# KiCad board poly_kb_molecule_8x5.kicad_pcb (continued)
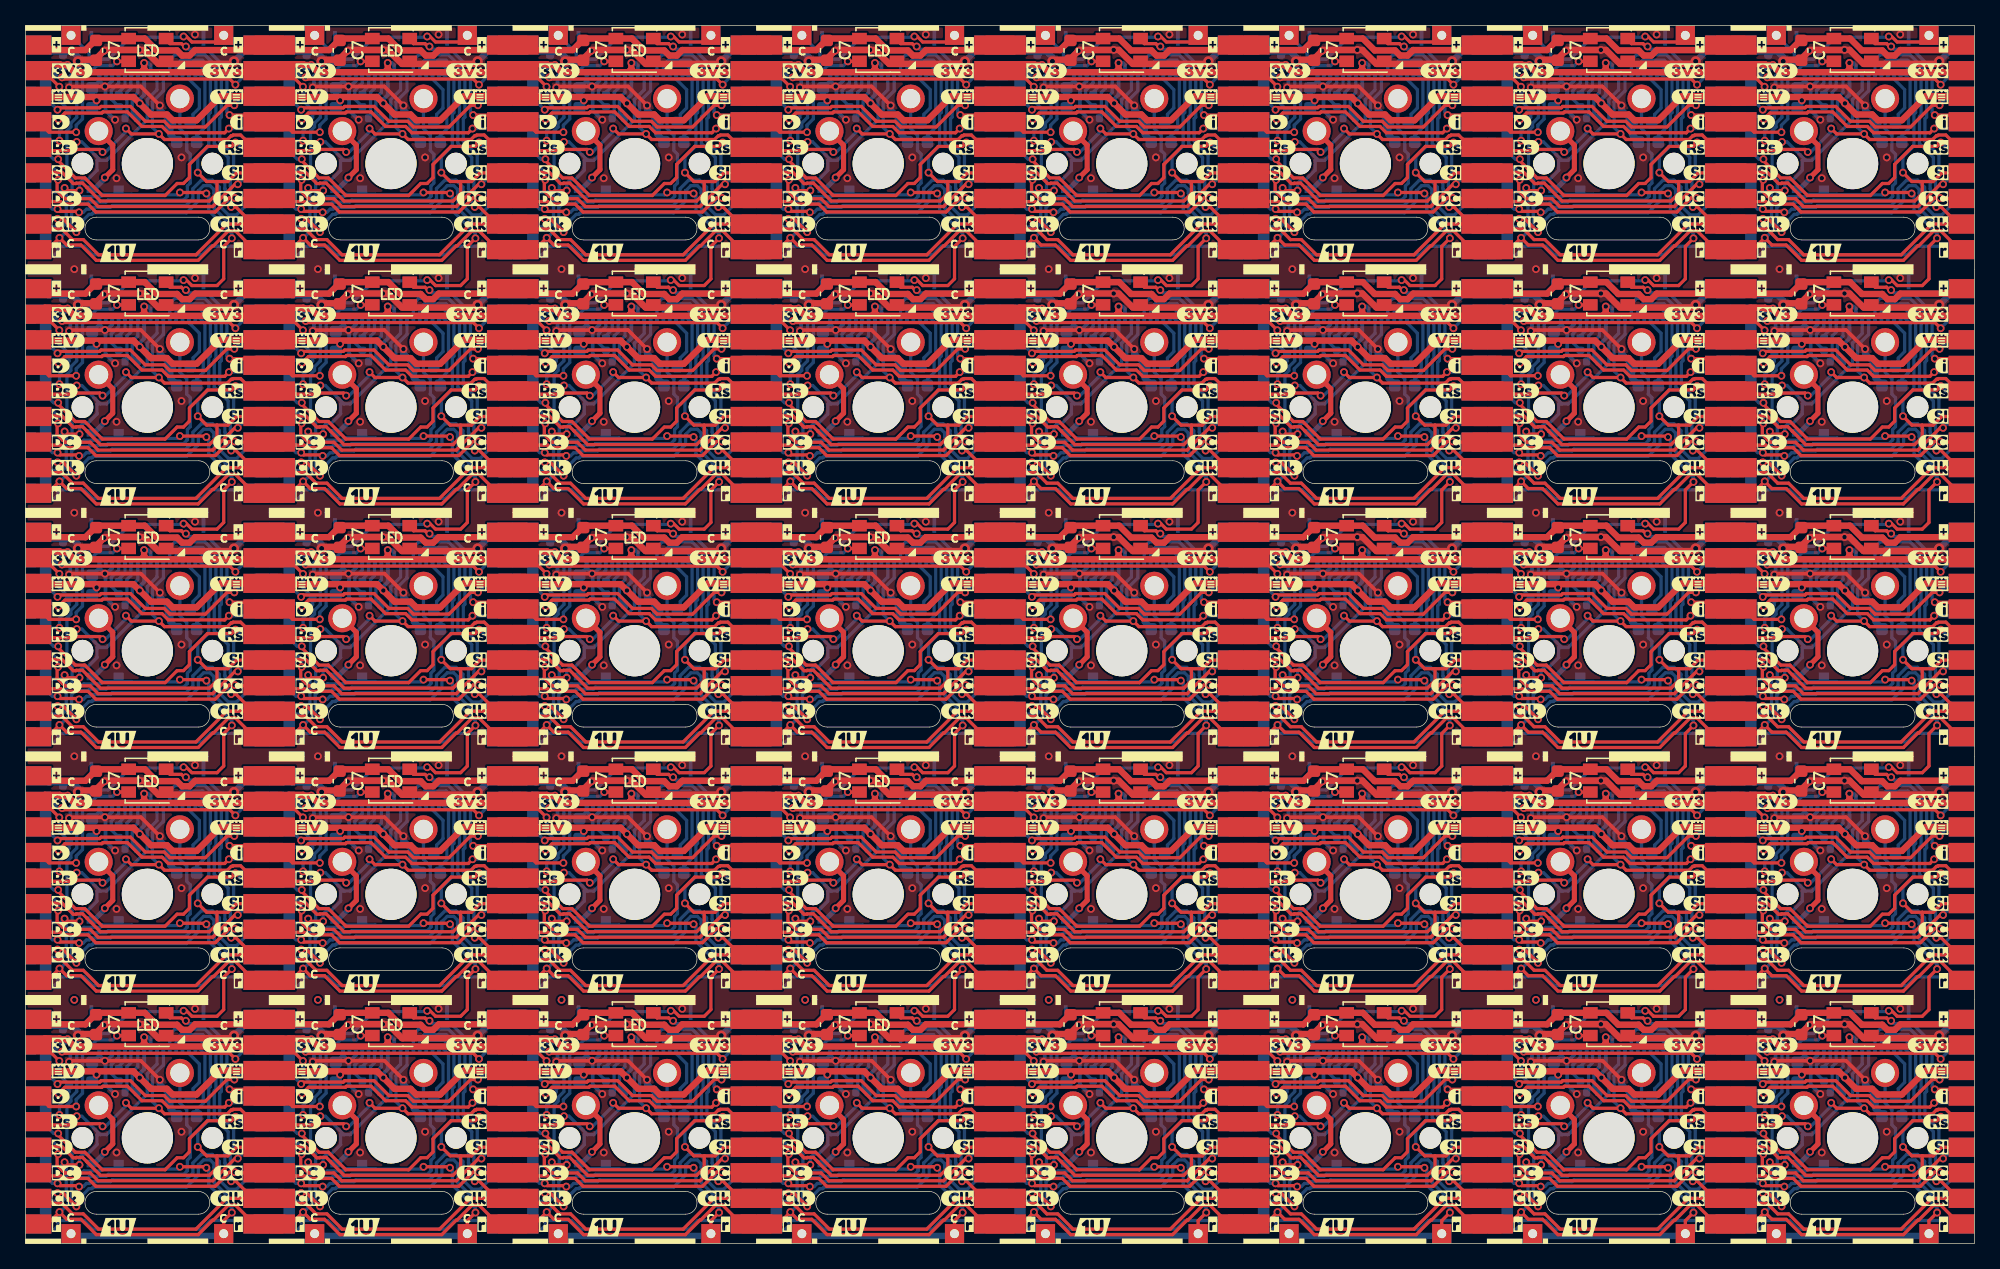
[diagram p0: board, top side]
## Routing (per net, layer and track width the routed paths; a pad name or vN(x,y) marks a point on that pad's centre or on a via; arc(x,y) is an arc through that point) (continued)
/Keyboard/sheet605ED2EB/LED_DIN: length 1005.4
  Top w0.254: 36.83,30.58 36.3,31.1 v1(35,31.1) ; v1(50.64,55.51) 50.51,55.51 50.29,55.74 49.39,55.74 48.99,56.13 ; 93.98,87.72 93.46,88.25 v1(92.15,88.25) ; v1(69.69,17.41) 69.56,17.41 69.34,17.64 68.44,17.64 68.04,18.03 ; v1(23.01,29.76) 20.88,29.76 J3#14.4 ; v1(69.69,55.51) 69.56,55.51 69.34,55.74 68.44,55.74 68.04,56.13 ; v1(126.84,55.51) 126.71,55.51 126.49,55.74 125.59,55.74 125.19,56.13 ; 48.99,94.23 49.39,93.84 50.29,93.84 50.51,93.61 v1(50.64,93.61) ; LED1#32.2 103.31,54.35 v1(102.4,54.35) ; 29.94,75.19 30.34,74.79 31.24,74.79 31.46,74.56 v1(31.59,74.56) ; v1(118.26,29.76) 116.13,29.76 J3#24.4 ; v1(15.95,88.25) 17.25,88.25 17.78,87.72 ; v1(137.31,86.91) 135.18,86.91 J3#26.4 ; v1(140.5,92.45) 141.41,92.45 LED1#6.2 ; J3#16.4 20.88,67.86 v1(23.01,67.86) ; J3#30.4 39.93,29.76 v1(42.06,29.76) ; v1(80.16,48.81) 78.03,48.81 J3#40.4 ; 144.24,94.23 144.64,93.84 145.54,93.84 145.76,93.61 v1(145.89,93.61) ; v1(130.25,31.1) 131.56,31.1 132.08,30.58 ; v1(12.54,17.41) 12.41,17.41 12.19,17.64 11.29,17.64 10.89,18.03 ; v1(42.06,86.91) 39.93,86.91 J3#38.4 ; 36.83,68.67 36.3,69.2 v1(35,69.2) ; 87.09,37.08 87.49,36.69 88.39,36.69 88.61,36.46 v1(88.74,36.46) ; v1(137.31,10.71) 135.18,10.71 J3#33.4 ; LED1#22.2 141.41,35.3 v1(140.5,35.3) ; v1(31.59,55.51) 31.46,55.51 31.24,55.74 30.34,55.74 29.94,56.13 ; LED1#24.2 65.2,92.45 v1(64.3,92.45) ; v1(73.1,88.25) 74.41,88.25 74.93,87.72 ; v1(35,50.15) 36.3,50.15 36.83,49.62 ; 106.14,56.13 106.54,55.74 107.44,55.74 107.66,55.51 v1(107.79,55.51) ; J3#3.4 20.88,48.81 v1(23.01,48.81) ; LED1#8.2 65.2,54.35 v1(64.3,54.35) ; LED1#7.2 103.31,16.25 v1(102.4,16.25) ; v1(7.15,92.45) 8.05,92.45 LED1.2 ; 74.93,30.58 74.41,31.1 v1(73.1,31.1) ; 74.93,11.53 74.41,12.05 v1(73.1,12.05) ; v1(26.2,35.3) 27.1,35.3 LED1#25.2 ; v1(61.11,10.71) 58.98,10.71 J3#27.4 ; v1(92.15,12.05) 93.46,12.05 93.98,11.53 ; J3#9.4 1.83,48.81 v1(3.96,48.81) ; J3#35.4 135.18,48.81 v1(137.31,48.81) ; v1(137.31,29.76) 135.18,29.76 J3#6.4 ; 17.78,49.62 17.25,50.15 v1(15.95,50.15) ; 113.03,11.53 112.5,12.05 v1(111.2,12.05) ; 151.13,68.67 150.6,69.2 v1(149.3,69.2) ; v1(83.35,35.3) 84.25,35.3 LED1#21.2 ; LED1#20.2 8.05,16.25 v1(7.15,16.25) ; J3#22.4 58.98,86.91 v1(61.11,86.91) ; 68.04,94.23 68.44,93.84 69.34,93.84 69.56,93.61 v1(69.69,93.61) ; v1(31.59,36.46) 31.46,36.46 31.24,36.69 30.34,36.69 29.94,37.08 ; LED1#35.2 8.05,73.4 v1(7.15,73.4) ; v1(145.89,17.41) 145.76,17.41 145.54,17.64 144.64,17.64 144.24,18.03 ; v1(83.35,16.25) 84.25,16.25 LED1#3.2 ; v1(61.11,48.81) 58.98,48.81 J3#23.4 ; v1(118.26,86.91) 116.13,86.91 J3#32.4 ; v1(80.16,86.91) 78.03,86.91 J3#18.4 ; LED1#17.2 141.41,54.35 v1(140.5,54.35) ; v1(3.96,67.86) 1.83,67.86 J3#17.4 ; LED1#28.2 122.35,35.3 v1(121.45,35.3) ; LED1#40.2 27.1,92.45 v1(26.2,92.45) ; v1(126.84,36.46) 126.71,36.46 126.49,36.69 125.59,36.69 125.19,37.08 ; v1(15.95,69.2) 17.25,69.2 17.78,68.67 ; v1(149.3,88.25) 150.6,88.25 151.13,87.72 ; 74.93,68.67 74.41,69.2 v1(73.1,69.2) ; 113.03,49.62 112.5,50.15 v1(111.2,50.15) ; 17.78,30.58 17.25,31.1 v1(15.95,31.1) ; v1(45.25,16.25) 46.16,16.25 LED1#19.2 ; 87.09,18.03 87.49,17.64 88.39,17.64 88.61,17.41 v1(88.74,17.41) ; 93.98,30.58 93.46,31.1 v1(92.15,31.1) ; J3#20.4 135.18,67.86 v1(137.31,67.86) ; 106.14,75.19 106.54,74.79 107.44,74.79 107.66,74.56 v1(107.79,74.56) ; v1(121.45,92.45) 122.35,92.45 LED1#31.2 ; LED1#26.2 46.16,92.45 v1(45.25,92.45) ; v1(26.2,16.25) 27.1,16.25 LED1#37.2 ; 106.14,37.08 106.54,36.69 107.44,36.69 107.66,36.46 v1(107.79,36.46) ; 36.83,11.53 36.3,12.05 v1(35,12.05) ; v1(64.3,35.3) 65.2,35.3 LED1#4.2 ; v1(42.06,10.71) 39.93,10.71 J3#5.4 ; LED1#23.2 141.41,73.4 v1(140.5,73.4) ; v1(31.59,93.61) 31.46,93.61 31.24,93.84 30.34,93.84 29.94,94.23 ; 125.19,75.19 125.59,74.79 126.49,74.79 126.71,74.56 v1(126.84,74.56) ; LED1#11.2 103.31,92.45 v1(102.4,92.45) ; 68.04,37.08 68.44,36.69 69.34,36.69 69.56,36.46 v1(69.69,36.46) ; v1(99.21,86.91) 97.08,86.91 J3#36.4 ; J3#19.4 20.88,86.91 v1(23.01,86.91) ; v1(99.21,48.81) 97.08,48.81 J3#28.4 ; v1(80.16,29.76) 78.03,29.76 J3#7.4 ; v1(12.54,36.46) 12.41,36.46 12.19,36.69 11.29,36.69 10.89,37.08 ; v1(83.35,92.45) 84.25,92.45 LED1#36.2 ; v1(92.15,69.2) 93.46,69.2 93.98,68.67 ; v1(118.26,10.71) 116.13,10.71 J3#12.4 ; v1(118.26,67.86) 116.13,67.86 J3#2.4 ; v1(45.25,54.35) 46.16,54.35 LED1#38.2 ; v1(145.89,36.46) 145.76,36.46 145.54,36.69 144.64,36.69 144.24,37.08 ; J3#10.4 58.98,67.86 v1(61.11,67.86) ; J3#15.4 1.83,10.71 v1(3.96,10.71) ; v1(54.05,88.25) 55.36,88.25 55.88,87.72 ; J3#4.4 116.13,48.81 v1(118.26,48.81) ; v1(88.74,55.51) 88.61,55.51 88.39,55.74 87.49,55.74 87.09,56.13 ; v1(83.35,73.4) 84.25,73.4 LED1#29.2 ; J3#13.4 78.03,67.86 v1(80.16,67.86) ; 29.94,18.03 30.34,17.64 31.24,17.64 31.46,17.41 v1(31.59,17.41) ; LED1#33.2 46.16,73.4 v1(45.25,73.4) ; 132.08,49.62 131.56,50.15 v1(130.25,50.15) ; v1(130.25,88.25) 131.56,88.25 132.08,87.72 ; v1(121.45,73.4) 122.35,73.4 LED1#5.2 ; 36.83,87.72 36.3,88.25 v1(35,88.25) ; v1(73.1,50.15) 74.41,50.15 74.93,49.62 ; v1(54.05,12.05) 55.36,12.05 55.88,11.53 ; 144.24,56.13 144.64,55.74 145.54,55.74 145.76,55.51 v1(145.89,55.51) ; v1(99.21,29.76) 97.08,29.76 J3#21.4 ; LED1#10.2 27.1,54.35 v1(26.2,54.35) ; v1(102.4,35.3) 103.31,35.3 LED1#14.2 ; v1(50.64,74.56) 50.51,74.56 50.29,74.79 49.39,74.79 48.99,75.19 ; 10.89,56.13 11.29,55.74 12.19,55.74 12.41,55.51 v1(12.54,55.51) ; J3#8.4 78.03,10.71 v1(80.16,10.71) ; 55.88,49.62 55.36,50.15 v1(54.05,50.15) ; v1(126.84,93.61) 126.71,93.61 126.49,93.84 125.59,93.84 125.19,94.23 ; LED1#13.2 8.05,54.35 v1(7.15,54.35) ; v1(54.05,69.2) 55.36,69.2 55.88,68.67 ; 48.99,18.03 49.39,17.64 50.29,17.64 50.51,17.41 v1(50.64,17.41) ; 106.14,18.03 106.54,17.64 107.44,17.64 107.66,17.41 v1(107.79,17.41) ; J3#31.4 39.93,67.86 v1(42.06,67.86) ; v1(15.95,12.05) 17.25,12.05 17.78,11.53 ; 113.03,68.67 112.5,69.2 v1(111.2,69.2) ; v1(102.4,73.4) 103.31,73.4 LED1#27.2 ; LED1#12.2 141.41,16.25 v1(140.5,16.25) ; 151.13,30.58 150.6,31.1 v1(149.3,31.1) ; v1(126.84,17.41) 126.71,17.41 126.49,17.64 125.59,17.64 125.19,18.03 ; 55.88,30.58 55.36,31.1 v1(54.05,31.1) ; 48.99,37.08 49.39,36.69 50.29,36.69 50.51,36.46 v1(50.64,36.46) ; LED1#2.2 122.35,54.35 v1(121.45,54.35) ; 151.13,49.62 150.6,50.15 v1(149.3,50.15) ; v1(64.3,16.25) 65.2,16.25 LED1#30.2 ; J3#25.4 20.88,10.71 v1(23.01,10.71) ; 93.98,49.62 93.46,50.15 v1(92.15,50.15) ; v1(99.21,67.86) 97.08,67.86 J3#37.4 ; J3#34.4 97.08,10.71 v1(99.21,10.71) ; 113.03,87.72 112.5,88.25 v1(111.2,88.25) ; 68.04,75.19 68.44,74.79 69.34,74.79 69.56,74.56 v1(69.69,74.56) ; 132.08,68.67 131.56,69.2 v1(130.25,69.2) ; v1(12.54,93.61) 12.41,93.61 12.19,93.84 11.29,93.84 10.89,94.23 ; 10.89,75.19 11.29,74.79 12.19,74.79 12.41,74.56 v1(12.54,74.56) ; 113.03,30.58 112.5,31.1 v1(111.2,31.1) ; v1(45.25,35.3) 46.16,35.3 LED1#15.2 ; v1(42.06,48.81) 39.93,48.81 J3#11.4 ; J3#29.4 1.83,29.76 v1(3.96,29.76) ; LED1#9.2 84.25,54.35 v1(83.35,54.35) ; 144.24,75.19 144.64,74.79 145.54,74.79 145.76,74.56 v1(145.89,74.56) ; v1(130.25,12.05) 131.56,12.05 132.08,11.53 ; 151.13,11.53 150.6,12.05 v1(149.3,12.05) ; v1(7.15,35.3) 8.05,35.3 LED1#18.2 ; v1(107.79,93.61) 107.66,93.61 107.44,93.84 106.54,93.84 106.14,94.23 ; v1(88.74,74.56) 88.61,74.56 88.39,74.79 87.49,74.79 87.09,75.19 ; LED1#16.2 122.35,16.25 v1(121.45,16.25) ; v1(3.96,86.91) 1.83,86.91 J3.4 ; LED1#39.2 27.1,73.4 v1(26.2,73.4) ; v1(88.74,93.61) 88.61,93.61 88.39,93.84 87.49,93.84 87.09,94.23 ; J3#39.4 58.98,29.76 v1(61.11,29.76) ; v1(64.3,73.4) 65.2,73.4 LED1#34.2
  Top w1.5: J4#11.4 J3#3.4 ; J4.4 J3#19.4 ; J4#33.4 J3#28.4 ; J3#6.4 J4#2.4 ; J3#26.4 J4#24.4 ; J4#35.4 J3#14.4 ; J3#27.4 J4#37.4 ; J3#35.4 J4#13.4 ; J4#4.4 J3#24.4 ; J3#10.4 J4#22.4 ; J4#34.4 J3#30.4 ; J3#23.4 J4#3.4 ; J4#40.4 J3#38.4 ; J4#5.4 J3#13.4 ; J3#22.4 J4#28.4 ; J4#30.4 J3#37.4 ; J4#15.4 J3#18.4 ; J3#8.4 J4#14.4 ; J4#29.4 J3#7.4 ; J4#18.4 J3#4.4 ; J4#36.4 J3#16.4 ; J4#27.4 J3#11.4 ; J3#33.4 J4#6.4 ; J4#16.4 J3#31.4 ; J4#12.4 J3#34.4 ; J3#39.4 J4#38.4 ; J4#17.4 J3#36.4 ; J4#21.4 J3#5.4 ; J4#8.4 J3#2.4 ; J4#26.4 J3#40.4 ; J3#20.4 J4#10.4 ; J4#19.4 J3#32.4 ; J4#9.4 J3#25.4 ; J4#23.4 J3#12.4 ; J4#25.4 J3#21.4
  Bottom w0.254: v1(3.96,67.86) 3.96,68.41 4.45,68.9 4.45,71.95 5.57,73.07 6.82,73.07 v1(7.15,73.4) ; v1(92.15,31.1) 91.94,31.31 91.94,34.7 90.4,36.24 88.96,36.24 v1(88.74,36.46) ; v1(118.26,86.91) 118.26,87.46 118.75,87.95 118.75,91 119.87,92.12 121.12,92.12 v1(121.45,92.45) ; v1(73.1,69.2) 72.89,69.41 72.89,72.8 71.35,74.34 69.91,74.34 v1(69.69,74.56) ; v1(7.15,54.35) 6.82,54.02 5.57,54.02 4.45,52.9 4.45,49.85 3.96,49.36 v1(3.96,48.81) ; v1(35,88.25) 34.79,88.46 34.79,91.85 33.25,93.39 31.81,93.39 v1(31.59,93.61) ; v1(50.64,74.56) 50.86,74.34 52.3,74.34 53.84,72.8 53.84,69.41 v1(54.05,69.2) ; v1(23.01,29.76) 23.01,30.31 23.5,30.8 23.5,33.85 24.62,34.97 25.87,34.97 v1(26.2,35.3) ; v1(50.64,93.61) 50.86,93.39 52.3,93.39 53.84,91.85 53.84,88.46 v1(54.05,88.25) ; v1(69.69,36.46) 69.91,36.24 71.35,36.24 72.89,34.7 72.89,31.31 v1(73.1,31.1) ; v1(83.35,73.4) 83.02,73.07 81.77,73.07 80.65,71.95 80.65,68.9 80.16,68.41 v1(80.16,67.86) ; v1(83.35,54.35) 83.02,54.02 81.77,54.02 80.65,52.9 80.65,49.85 80.16,49.36 v1(80.16,48.81) ; v1(107.79,17.41) 108.01,17.19 109.45,17.19 110.99,15.65 110.99,12.26 v1(111.2,12.05) ; v1(149.3,50.15) 149.09,50.36 149.09,53.75 147.55,55.29 146.11,55.29 v1(145.89,55.51) ; v1(126.84,17.41) 127.06,17.19 128.5,17.19 130.04,15.65 130.04,12.26 v1(130.25,12.05) ; v1(42.06,86.91) 42.06,87.46 42.55,87.95 42.55,91 43.67,92.12 44.92,92.12 v1(45.25,92.45) ; v1(45.25,54.35) 44.92,54.02 43.67,54.02 42.55,52.9 42.55,49.85 42.06,49.36 v1(42.06,48.81) ; v1(73.1,50.15) 72.89,50.36 72.89,53.75 71.35,55.29 69.91,55.29 v1(69.69,55.51) ; v1(80.16,86.91) 80.16,87.46 80.65,87.95 80.65,91 81.77,92.12 83.02,92.12 v1(83.35,92.45) ; v1(149.3,69.2) 149.09,69.41 149.09,72.8 147.55,74.34 146.11,74.34 v1(145.89,74.56) ; v1(12.54,17.41) 12.76,17.19 14.2,17.19 15.74,15.65 15.74,12.26 v1(15.95,12.05) ; v1(12.54,55.51) 12.76,55.29 14.2,55.29 15.74,53.75 15.74,50.36 v1(15.95,50.15) ; v1(92.15,88.25) 91.94,88.46 91.94,91.85 90.4,93.39 88.96,93.39 v1(88.74,93.61) ; v1(137.31,10.71) 137.31,11.26 137.8,11.75 137.8,14.8 138.92,15.92 140.17,15.92 v1(140.5,16.25) ; v1(107.79,55.51) 108.01,55.29 109.45,55.29 110.99,53.75 110.99,50.36 v1(111.2,50.15) ; v1(61.11,67.86) 61.11,68.41 61.6,68.9 61.6,71.95 62.72,73.07 63.97,73.07 v1(64.3,73.4) ; v1(3.96,10.71) 3.96,11.26 4.45,11.75 4.45,14.8 5.57,15.92 6.82,15.92 v1(7.15,16.25) ; v1(99.21,10.71) 99.21,11.26 99.7,11.75 99.7,14.8 100.82,15.92 102.07,15.92 v1(102.4,16.25) ; v1(99.21,29.76) 99.21,30.31 99.7,30.8 99.7,33.85 100.82,34.97 102.07,34.97 v1(102.4,35.3) ; v1(145.89,36.46) 146.11,36.24 147.55,36.24 149.09,34.7 149.09,31.31 v1(149.3,31.1) ; v1(111.2,88.25) 110.99,88.46 110.99,91.85 109.45,93.39 108.01,93.39 v1(107.79,93.61) ; v1(31.59,74.56) 31.81,74.34 33.25,74.34 34.79,72.8 34.79,69.41 v1(35,69.2) ; v1(92.15,69.2) 91.94,69.41 91.94,72.8 90.4,74.34 88.96,74.34 v1(88.74,74.56) ; v1(42.06,29.76) 42.06,30.31 42.55,30.8 42.55,33.85 43.67,34.97 44.92,34.97 v1(45.25,35.3) ; v1(137.31,67.86) 137.31,68.41 137.8,68.9 137.8,71.95 138.92,73.07 140.17,73.07 v1(140.5,73.4) ; v1(12.54,93.61) 12.76,93.39 14.2,93.39 15.74,91.85 15.74,88.46 v1(15.95,88.25) ; v1(126.84,93.61) 127.06,93.39 128.5,93.39 130.04,91.85 130.04,88.46 v1(130.25,88.25) ; v1(50.64,17.41) 50.86,17.19 52.3,17.19 53.84,15.65 53.84,12.26 v1(54.05,12.05) ; v1(102.4,73.4) 102.07,73.07 100.82,73.07 99.7,71.95 99.7,68.9 99.21,68.41 v1(99.21,67.86) ; v1(15.95,31.1) 15.74,31.31 15.74,34.7 14.2,36.24 12.76,36.24 v1(12.54,36.46) ; v1(145.89,93.61) 146.11,93.39 147.55,93.39 149.09,91.85 149.09,88.46 v1(149.3,88.25) ; v1(69.69,17.41) 69.91,17.19 71.35,17.19 72.89,15.65 72.89,12.26 v1(73.1,12.05) ; v1(137.31,86.91) 137.31,87.46 137.8,87.95 137.8,91 138.92,92.12 140.17,92.12 v1(140.5,92.45) ; v1(121.45,54.35) 121.12,54.02 119.87,54.02 118.75,52.9 118.75,49.85 118.26,49.36 v1(118.26,48.81) ; v1(107.79,36.46) 108.01,36.24 109.45,36.24 110.99,34.7 110.99,31.31 v1(111.2,31.1) ; v1(64.3,54.35) 63.97,54.02 62.72,54.02 61.6,52.9 61.6,49.85 61.11,49.36 v1(61.11,48.81) ; v1(26.2,92.45) 25.87,92.12 24.62,92.12 23.5,91 23.5,87.95 23.01,87.46 v1(23.01,86.91) ; v1(61.11,10.71) 61.11,11.26 61.6,11.75 61.6,14.8 62.72,15.92 63.97,15.92 v1(64.3,16.25) ; v1(118.26,10.71) 118.26,11.26 118.75,11.75 118.75,14.8 119.87,15.92 121.12,15.92 v1(121.45,16.25) ; v1(88.74,55.51) 88.96,55.29 90.4,55.29 91.94,53.75 91.94,50.36 v1(92.15,50.15) ; v1(145.89,17.41) 146.11,17.19 147.55,17.19 149.09,15.65 149.09,12.26 v1(149.3,12.05) ; v1(130.25,31.1) 130.04,31.31 130.04,34.7 128.5,36.24 127.06,36.24 v1(126.84,36.46) ; v1(35,50.15) 34.79,50.36 34.79,53.75 33.25,55.29 31.81,55.29 v1(31.59,55.51) ; v1(26.2,16.25) 25.87,15.92 24.62,15.92 23.5,14.8 23.5,11.75 23.01,11.26 v1(23.01,10.71) ; v1(15.95,69.2) 15.74,69.41 15.74,72.8 14.2,74.34 12.76,74.34 v1(12.54,74.56) ; v1(126.84,74.56) 127.06,74.34 128.5,74.34 130.04,72.8 130.04,69.41 v1(130.25,69.2) ; v1(3.96,86.91) 3.96,87.46 4.45,87.95 4.45,91 5.57,92.12 6.82,92.12 v1(7.15,92.45) ; v1(3.96,29.76) 3.96,30.31 4.45,30.8 4.45,33.85 5.57,34.97 6.82,34.97 v1(7.15,35.3) ; v1(31.59,17.41) 31.81,17.19 33.25,17.19 34.79,15.65 34.79,12.26 v1(35,12.05) ; v1(140.5,54.35) 140.17,54.02 138.92,54.02 137.8,52.9 137.8,49.85 137.31,49.36 v1(137.31,48.81) ; v1(64.3,92.45) 63.97,92.12 62.72,92.12 61.6,91 61.6,87.95 61.11,87.46 v1(61.11,86.91) ; v1(23.01,48.81) 23.01,49.36 23.5,49.85 23.5,52.9 24.62,54.02 25.87,54.02 v1(26.2,54.35) ; v1(140.5,35.3) 140.17,34.97 138.92,34.97 137.8,33.85 137.8,30.8 137.31,30.31 v1(137.31,29.76) ; v1(54.05,50.15) 53.84,50.36 53.84,53.75 52.3,55.29 50.86,55.29 v1(50.64,55.51) ; v1(31.59,36.46) 31.81,36.24 33.25,36.24 34.79,34.7 34.79,31.31 v1(35,31.1) ; v1(80.16,29.76) 80.16,30.31 80.65,30.8 80.65,33.85 81.77,34.97 83.02,34.97 v1(83.35,35.3) ; v1(69.69,93.61) 69.91,93.39 71.35,93.39 72.89,91.85 72.89,88.46 v1(73.1,88.25) ; v1(107.79,74.56) 108.01,74.34 109.45,74.34 110.99,72.8 110.99,69.41 v1(111.2,69.2) ; v1(99.21,48.81) 99.21,49.36 99.7,49.85 99.7,52.9 100.82,54.02 102.07,54.02 v1(102.4,54.35) ; v1(80.16,10.71) 80.16,11.26 80.65,11.75 80.65,14.8 81.77,15.92 83.02,15.92 v1(83.35,16.25) ; v1(45.25,73.4) 44.92,73.07 43.67,73.07 42.55,71.95 42.55,68.9 42.06,68.41 v1(42.06,67.86) ; v1(50.64,36.46) 50.86,36.24 52.3,36.24 53.84,34.7 53.84,31.31 v1(54.05,31.1) ; v1(61.11,29.76) 61.11,30.31 61.6,30.8 61.6,33.85 62.72,34.97 63.97,34.97 v1(64.3,35.3) ; v1(45.25,16.25) 44.92,15.92 43.67,15.92 42.55,14.8 42.55,11.75 42.06,11.26 v1(42.06,10.71) ; v1(121.45,35.3) 121.12,34.97 119.87,34.97 118.75,33.85 118.75,30.8 118.26,30.31 v1(118.26,29.76) ; v1(121.45,73.4) 121.12,73.07 119.87,73.07 118.75,71.95 118.75,68.9 118.26,68.41 v1(118.26,67.86) ; v1(26.2,73.4) 25.87,73.07 24.62,73.07 23.5,71.95 23.5,68.9 23.01,68.41 v1(23.01,67.86) ; v1(130.25,50.15) 130.04,50.36 130.04,53.75 128.5,55.29 127.06,55.29 v1(126.84,55.51) ; v1(88.74,17.41) 88.96,17.19 90.4,17.19 91.94,15.65 91.94,12.26 v1(92.15,12.05) ; v1(102.4,92.45) 102.07,92.12 100.82,92.12 99.7,91 99.7,87.95 99.21,87.46 v1(99.21,86.91)
/Keyboard/sheet605ED2EB/RESET: length 1032.3
  Top w0.254: v1(82.22,9.16) 82.02,9.36 80.19,9.36 80.1,9.27 77.47,9.27 J3#8.5 ; J3#26.5 134.62,85.47 137.25,85.47 137.34,85.56 139.17,85.56 v1(139.37,85.36) ; 17.78,66.67 16.81,67.64 16.23,67.64 16.18,67.59 16.08,67.59 15.78,67.29 10.86,67.29 v1(10.43,67.72) 8.27,67.72 v1(7.85,68.15) ; v1(26.9,30.05) 27.32,29.62 v1(29.48,29.62) 29.91,29.19 34.83,29.19 35.13,29.49 35.23,29.49 35.28,29.54 35.86,29.54 36.83,28.58 ; J3#30.5 39.37,28.32 42,28.32 42.09,28.41 43.92,28.41 v1(44.12,28.21) ; J3#9.5 1.27,47.37 3.9,47.37 3.99,47.46 5.82,47.46 v1(6.02,47.26) ; J3#27.5 58.42,9.27 61.05,9.27 61.14,9.36 62.97,9.36 v1(63.17,9.16) ; v1(101.27,66.31) 101.07,66.51 99.24,66.51 99.15,66.42 96.52,66.42 J3#37.5 ; v1(122.15,11) 122.57,10.57 v1(124.73,10.57) 125.16,10.14 130.08,10.14 130.38,10.44 130.48,10.44 130.53,10.49 131.11,10.49 132.08,9.53 ; v1(65,30.05) 65.42,29.62 v1(67.58,29.62) 68.01,29.19 72.93,29.19 73.23,29.49 73.33,29.49 73.38,29.54 73.96,29.54 74.93,28.58 ; v1(6.02,28.21) 5.82,28.41 3.99,28.41 3.9,28.32 1.27,28.32 J3#29.5 ; v1(141.2,30.05) 141.62,29.62 v1(143.78,29.62) 144.21,29.19 149.13,29.19 149.43,29.49 149.53,29.49 149.58,29.54 150.16,29.54 151.13,28.58 ; v1(25.07,85.36) 24.87,85.56 23.04,85.56 22.95,85.47 20.32,85.47 J3#19.5 ; v1(84.05,49.1) 84.47,48.67 v1(86.63,48.67) 87.06,48.24 91.98,48.24 92.28,48.54 92.38,48.54 92.43,48.59 93.01,48.59 93.98,47.62 ; v1(120.32,66.31) 120.12,66.51 118.29,66.51 118.2,66.42 115.57,66.42 J3#2.5 ; v1(120.32,9.16) 120.12,9.36 118.29,9.36 118.2,9.27 115.57,9.27 J3#12.5 ; J3#15.5 1.27,9.27 3.9,9.27 3.99,9.36 5.82,9.36 v1(6.02,9.16) ; J3#4.5 115.57,47.37 118.2,47.37 118.29,47.46 120.12,47.46 v1(120.32,47.26) ; 132.08,85.72 131.11,86.69 130.53,86.69 130.48,86.64 130.38,86.64 130.08,86.34 125.16,86.34 v1(124.73,86.77) 122.57,86.77 v1(122.15,87.2) ; 113.03,85.72 112.06,86.69 111.48,86.69 111.43,86.64 111.33,86.64 111.03,86.34 106.11,86.34 v1(105.68,86.77) 103.52,86.77 v1(103.1,87.2) ; v1(44.12,9.16) 43.92,9.36 42.09,9.36 42,9.27 39.37,9.27 J3#5.5 ; v1(25.07,28.21) 24.87,28.41 23.04,28.41 22.95,28.32 20.32,28.32 J3#14.5 ; J3#21.5 96.52,28.32 99.15,28.32 99.24,28.41 101.07,28.41 v1(101.27,28.21) ; v1(63.17,66.31) 62.97,66.51 61.14,66.51 61.05,66.42 58.42,66.42 J3#10.5 ; v1(45.95,30.05) 46.37,29.62 v1(48.53,29.62) 48.96,29.19 53.88,29.19 54.18,29.49 54.28,29.49 54.33,29.54 54.91,29.54 55.88,28.58 ; v1(120.32,85.36) 120.12,85.56 118.29,85.56 118.2,85.47 115.57,85.47 J3#32.5 ; v1(84.05,87.2) 84.47,86.77 v1(86.63,86.77) 87.06,86.34 91.98,86.34 92.28,86.64 92.38,86.64 92.43,86.69 93.01,86.69 93.98,85.72 ; v1(82.22,85.36) 82.02,85.56 80.19,85.56 80.1,85.47 77.47,85.47 J3#18.5 ; v1(45.95,68.15) 46.37,67.72 v1(48.53,67.72) 48.96,67.29 53.88,67.29 54.18,67.59 54.28,67.59 54.33,67.64 54.91,67.64 55.88,66.67 ; v1(101.27,47.26) 101.07,47.46 99.24,47.46 99.15,47.37 96.52,47.37 J3#28.5 ; v1(7.85,11) 8.27,10.57 v1(10.43,10.57) 10.86,10.14 15.78,10.14 16.08,10.44 16.18,10.44 16.23,10.49 16.81,10.49 17.78,9.53 ; v1(122.15,30.05) 122.57,29.62 v1(124.73,29.62) 125.16,29.19 130.08,29.19 130.38,29.49 130.48,29.49 130.53,29.54 131.11,29.54 132.08,28.58 ; v1(63.17,85.36) 62.97,85.56 61.14,85.56 61.05,85.47 58.42,85.47 J3#22.5 ; v1(101.27,85.36) 101.07,85.56 99.24,85.56 99.15,85.47 96.52,85.47 J3#36.5 ; J3#17.5 1.27,66.42 3.9,66.42 3.99,66.51 5.82,66.51 v1(6.02,66.31) ; v1(103.1,30.05) 103.52,29.62 v1(105.68,29.62) 106.11,29.19 111.03,29.19 111.33,29.49 111.43,29.49 111.48,29.54 112.06,29.54 113.03,28.58 ; 17.78,47.62 16.81,48.59 16.23,48.59 16.18,48.54 16.08,48.54 15.78,48.24 10.86,48.24 v1(10.43,48.67) 8.27,48.67 v1(7.85,49.1) ; J3#13.5 77.47,66.42 80.1,66.42 80.19,66.51 82.02,66.51 v1(82.22,66.31) ; v1(103.1,11) 103.52,10.57 v1(105.68,10.57) 106.11,10.14 111.03,10.14 111.33,10.44 111.43,10.44 111.48,10.49 112.06,10.49 113.03,9.53 ; v1(101.27,9.16) 101.07,9.36 99.24,9.36 99.15,9.27 96.52,9.27 J3#34.5 ; 132.08,66.67 131.11,67.64 130.53,67.64 130.48,67.59 130.38,67.59 130.08,67.29 125.16,67.29 v1(124.73,67.72) 122.57,67.72 v1(122.15,68.15) ; v1(26.9,49.1) 27.32,48.67 v1(29.48,48.67) 29.91,48.24 34.83,48.24 35.13,48.54 35.23,48.54 35.28,48.59 35.86,48.59 36.83,47.62 ; v1(63.17,28.21) 62.97,28.41 61.14,28.41 61.05,28.32 58.42,28.32 J3#39.5 ; v1(139.37,66.31) 139.17,66.51 137.34,66.51 137.25,66.42 134.62,66.42 J3#20.5 ; v1(65,49.1) 65.42,48.67 v1(67.58,48.67) 68.01,48.24 72.93,48.24 73.23,48.54 73.33,48.54 73.38,48.59 73.96,48.59 74.93,47.62 ; 36.83,66.67 35.86,67.64 35.28,67.64 35.23,67.59 35.13,67.59 34.83,67.29 29.91,67.29 v1(29.48,67.72) 27.32,67.72 v1(26.9,68.15) ; J3#24.5 115.57,28.32 118.2,28.32 118.29,28.41 120.12,28.41 v1(120.32,28.21) ; 113.03,66.67 112.06,67.64 111.48,67.64 111.43,67.59 111.33,67.59 111.03,67.29 106.11,67.29 v1(105.68,67.72) 103.52,67.72 v1(103.1,68.15) ; v1(65,68.15) 65.42,67.72 v1(67.58,67.72) 68.01,67.29 72.93,67.29 73.23,67.59 73.33,67.59 73.38,67.64 73.96,67.64 74.93,66.67 ; v1(141.2,68.15) 141.62,67.72 v1(143.78,67.72) 144.21,67.29 149.13,67.29 149.43,67.59 149.53,67.59 149.58,67.64 150.16,67.64 151.13,66.67 ; 93.98,66.67 93.01,67.64 92.43,67.64 92.38,67.59 92.28,67.59 91.98,67.29 87.06,67.29 v1(86.63,67.72) 84.47,67.72 v1(84.05,68.15) ; 151.13,85.72 150.16,86.69 149.58,86.69 149.53,86.64 149.43,86.64 149.13,86.34 144.21,86.34 v1(143.78,86.77) 141.62,86.77 v1(141.2,87.2) ; v1(45.95,87.2) 46.37,86.77 v1(48.53,86.77) 48.96,86.34 53.88,86.34 54.18,86.64 54.28,86.64 54.33,86.69 54.91,86.69 55.88,85.72 ; v1(7.85,30.05) 8.27,29.62 v1(10.43,29.62) 10.86,29.19 15.78,29.19 16.08,29.49 16.18,29.49 16.23,29.54 16.81,29.54 17.78,28.58 ; v1(6.02,85.36) 5.82,85.56 3.99,85.56 3.9,85.47 1.27,85.47 J3.5 ; v1(141.2,49.1) 141.62,48.67 v1(143.78,48.67) 144.21,48.24 149.13,48.24 149.43,48.54 149.53,48.54 149.58,48.59 150.16,48.59 151.13,47.62 ; v1(65,87.2) 65.42,86.77 v1(67.58,86.77) 68.01,86.34 72.93,86.34 73.23,86.64 73.33,86.64 73.38,86.69 73.96,86.69 74.93,85.72 ; J3#40.5 77.47,47.37 80.1,47.37 80.19,47.46 82.02,47.46 v1(82.22,47.26) ; J3#33.5 134.62,9.27 137.25,9.27 137.34,9.36 139.17,9.36 v1(139.37,9.16) ; J3#16.5 20.32,66.42 22.95,66.42 23.04,66.51 24.87,66.51 v1(25.07,66.31) ; v1(26.9,11) 27.32,10.57 v1(29.48,10.57) 29.91,10.14 34.83,10.14 35.13,10.44 35.23,10.44 35.28,10.49 35.86,10.49 36.83,9.53 ; 132.08,47.62 131.11,48.59 130.53,48.59 130.48,48.54 130.38,48.54 130.08,48.24 125.16,48.24 v1(124.73,48.67) 122.57,48.67 v1(122.15,49.1) ; 113.03,47.62 112.06,48.59 111.48,48.59 111.43,48.54 111.33,48.54 111.03,48.24 106.11,48.24 v1(105.68,48.67) 103.52,48.67 v1(103.1,49.1) ; v1(82.22,28.21) 82.02,28.41 80.19,28.41 80.1,28.32 77.47,28.32 J3#7.5 ; 17.78,85.72 16.81,86.69 16.23,86.69 16.18,86.64 16.08,86.64 15.78,86.34 10.86,86.34 v1(10.43,86.77) 8.27,86.77 v1(7.85,87.2) ; 93.98,28.58 93.01,29.54 92.43,29.54 92.38,29.49 92.28,29.49 91.98,29.19 87.06,29.19 v1(86.63,29.62) 84.47,29.62 v1(84.05,30.05) ; v1(44.12,85.36) 43.92,85.56 42.09,85.56 42,85.47 39.37,85.47 J3#38.5 ; v1(26.9,87.2) 27.32,86.77 v1(29.48,86.77) 29.91,86.34 34.83,86.34 35.13,86.64 35.23,86.64 35.28,86.69 35.86,86.69 36.83,85.72 ; v1(44.12,47.26) 43.92,47.46 42.09,47.46 42,47.37 39.37,47.37 J3#11.5 ; v1(141.2,11) 141.62,10.57 v1(143.78,10.57) 144.21,10.14 149.13,10.14 149.43,10.44 149.53,10.44 149.58,10.49 150.16,10.49 151.13,9.53 ; 93.98,9.53 93.01,10.49 92.43,10.49 92.38,10.44 92.28,10.44 91.98,10.14 87.06,10.14 v1(86.63,10.57) 84.47,10.57 v1(84.05,11) ; J3#6.5 134.62,28.32 137.25,28.32 137.34,28.41 139.17,28.41 v1(139.37,28.21) ; v1(139.37,47.26) 139.17,47.46 137.34,47.46 137.25,47.37 134.62,47.37 J3#35.5 ; J3#3.5 20.32,47.37 22.95,47.37 23.04,47.46 24.87,47.46 v1(25.07,47.26) ; J3#25.5 20.32,9.27 22.95,9.27 23.04,9.36 24.87,9.36 v1(25.07,9.16) ; v1(44.12,66.31) 43.92,66.51 42.09,66.51 42,66.42 39.37,66.42 J3#31.5 ; 55.88,9.53 54.91,10.49 54.33,10.49 54.28,10.44 54.18,10.44 53.88,10.14 48.96,10.14 v1(48.53,10.57) 46.37,10.57 v1(45.95,11) ; v1(65,11) 65.42,10.57 v1(67.58,10.57) 68.01,10.14 72.93,10.14 73.23,10.44 73.33,10.44 73.38,10.49 73.96,10.49 74.93,9.53 ; v1(45.95,49.1) 46.37,48.67 v1(48.53,48.67) 48.96,48.24 53.88,48.24 54.18,48.54 54.28,48.54 54.33,48.59 54.91,48.59 55.88,47.62 ; J3#23.5 58.42,47.37 61.05,47.37 61.14,47.46 62.97,47.46 v1(63.17,47.26)
  Top w1.5: J4#15.5 J3#18.5 ; J4#28.5 J3#22.5 ; J4#25.5 J3#21.5 ; J4#22.5 J3#10.5 ; J4#8.5 J3#2.5 ; J4#18.5 J3#4.5 ; J4#30.5 J3#37.5 ; J4#21.5 J3#5.5 ; J4#12.5 J3#34.5 ; J4#38.5 J3#39.5 ; J4.5 J3#19.5 ; J4#34.5 J3#30.5 ; J4#6.5 J3#33.5 ; J4#37.5 J3#27.5 ; J4#3.5 J3#23.5 ; J4#4.5 J3#24.5 ; J4#33.5 J3#28.5 ; J4#16.5 J3#31.5 ; J4#24.5 J3#26.5 ; J4#5.5 J3#13.5 ; J4#9.5 J3#25.5 ; J4#10.5 J3#20.5 ; J4#40.5 J3#38.5 ; J4#27.5 J3#11.5 ; J4#11.5 J3#3.5 ; J4#36.5 J3#16.5 ; J4#13.5 J3#35.5 ; J4#29.5 J3#7.5 ; J4#14.5 J3#8.5 ; J4#17.5 J3#36.5 ; J4#26.5 J3#40.5 ; J4#35.5 J3#14.5 ; J4#19.5 J3#32.5 ; J4#2.5 J3#6.5 ; J4#23.5 J3#12.5
  Bottom w0.254: v1(6.02,28.21) 6.25,28.21 7.85,29.8 v1(7.85,30.05) ; v1(101.27,66.31) 101.5,66.31 103.1,67.9 v1(103.1,68.15) ; J1#13.11 29.83,13.95 28.97,13.09 28.97,11.08 v1(29.48,10.57) ; v1(103.1,30.05) 103.1,29.8 101.5,28.21 v1(101.27,28.21) ; v1(82.22,66.31) 82.45,66.31 84.05,67.9 v1(84.05,68.15) ; v1(82.22,85.36) 82.45,85.36 84.05,86.95 v1(84.05,87.2) ; v1(86.63,29.62) 86.12,30.13 86.12,32.14 86.97,33 J1#37.11 ; J1#4.11 48.88,71.1 48.02,70.24 48.02,68.23 v1(48.53,67.72) ; v1(65,11) 65,10.75 63.4,9.16 v1(63.17,9.16) ; v1(124.73,86.77) 124.22,87.28 124.22,89.29 125.07,90.15 J1#26.11 ; v1(122.15,30.05) 122.15,29.8 120.55,28.21 v1(120.32,28.21) ; v1(10.43,86.77) 9.92,87.28 9.92,89.29 10.77,90.15 J1.11 ; v1(84.05,11) 84.05,10.75 82.45,9.16 v1(82.22,9.16) ; v1(29.48,29.62) 28.97,30.13 28.97,32.14 29.83,33 J1#2.11 ; J1#25.11 86.97,13.95 86.12,13.09 86.12,11.08 v1(86.63,10.57) ; v1(103.1,87.2) 103.1,86.95 101.5,85.36 v1(101.27,85.36) ; v1(141.2,87.2) 141.2,86.95 139.6,85.36 v1(139.37,85.36) ; J1#40.11 106.03,33 105.17,32.14 105.17,30.13 v1(105.68,29.62) ; v1(143.78,86.77) 143.27,87.28 143.27,89.29 144.12,90.15 J1#32.11 ; v1(65,68.15) 65,67.9 63.4,66.31 v1(63.17,66.31) ; v1(45.95,87.2) 45.95,86.95 44.35,85.36 v1(44.12,85.36) ; v1(82.22,47.26) 82.45,47.26 84.05,48.85 v1(84.05,49.1) ; v1(26.9,68.15) 26.9,67.9 25.3,66.31 v1(25.07,66.31) ; J1#16.11 144.12,71.1 143.27,70.24 143.27,68.23 v1(143.78,67.72) ; J1#34.11 48.88,33 48.02,32.14 48.02,30.13 v1(48.53,29.62) ; v1(141.2,68.15) 141.2,67.9 139.6,66.31 v1(139.37,66.31) ; v1(103.1,49.1) 103.1,48.85 101.5,47.26 v1(101.27,47.26) ; J1#38.11 106.03,90.15 105.17,89.29 105.17,87.28 v1(105.68,86.77) ; J1#6.11 10.77,33 9.92,32.14 9.92,30.13 v1(10.43,29.62) ; v1(143.78,29.62) 143.27,30.13 143.27,32.14 144.12,33 J1#28.11 ; J1#30.11 29.83,71.1 28.97,70.24 28.97,68.23 v1(29.48,67.72) ; J1#14.11 86.97,90.15 86.12,89.29 86.12,87.28 v1(86.63,86.77) ; J1#7.11 106.03,52.05 105.17,51.19 105.17,49.18 v1(105.68,48.67) ; J1#12.11 48.88,52.05 48.02,51.19 48.02,49.18 v1(48.53,48.67) ; v1(44.12,66.31) 44.35,66.31 45.95,67.9 v1(45.95,68.15) ; J1#36.11 86.97,71.1 86.12,70.24 86.12,68.23 v1(86.63,67.72) ; v1(44.12,28.21) 44.35,28.21 45.95,29.8 v1(45.95,30.05) ; v1(86.63,48.67) 86.12,49.18 86.12,51.19 86.97,52.05 J1#21.11 ; J1#10.11 48.88,90.15 48.02,89.29 48.02,87.28 v1(48.53,86.77) ; v1(105.68,67.72) 105.17,68.23 105.17,70.24 106.03,71.1 J1#17.11 ; v1(143.78,10.57) 143.27,11.08 143.27,13.09 144.12,13.95 J1#15.11 ; v1(141.2,49.1) 141.2,48.85 139.6,47.26 v1(139.37,47.26) ; J1#18.11 67.92,90.15 67.07,89.29 67.07,87.28 v1(67.58,86.77) ; v1(124.73,67.72) 124.22,68.23 124.22,70.24 125.07,71.1 J1#20.11 ; v1(122.15,11) 122.15,10.75 120.55,9.16 v1(120.32,9.16) ; v1(103.1,11) 103.1,10.75 101.5,9.16 v1(101.27,9.16) ; v1(141.2,30.05) 141.2,29.8 139.6,28.21 v1(139.37,28.21) ; v1(65,30.05) 65,29.8 63.4,28.21 v1(63.17,28.21) ; v1(7.85,11) 7.85,10.75 6.25,9.16 v1(6.02,9.16) ; v1(67.58,29.62) 67.07,30.13 67.07,32.14 67.92,33 J1#3.11 ; v1(65,49.1) 65,48.85 63.4,47.26 v1(63.17,47.26) ; v1(120.32,66.31) 120.55,66.31 122.15,67.9 v1(122.15,68.15) ; v1(44.12,47.26) 44.35,47.26 45.95,48.85 v1(45.95,49.1) ; v1(26.9,11) 26.9,10.75 25.3,9.16 v1(25.07,9.16) ; J1#33.11 67.92,71.1 67.07,70.24 67.07,68.23 v1(67.58,67.72) ; v1(122.15,87.2) 122.15,86.95 120.55,85.36 v1(120.32,85.36) ; v1(29.48,48.67) 28.97,49.18 28.97,51.19 29.83,52.05 J1#23.11 ; v1(10.43,67.72) 9.92,68.23 9.92,70.24 10.77,71.1 J1#39.11 ; v1(143.78,48.67) 143.27,49.18 143.27,51.19 144.12,52.05 J1#11.11 ; J1#8.11 125.07,13.95 124.22,13.09 124.22,11.08 v1(124.73,10.57) ; v1(48.53,10.57) 48.02,11.08 48.02,13.09 48.88,13.95 J1#27.11 ; J1#29.11 67.92,13.95 67.07,13.09 67.07,11.08 v1(67.58,10.57) ; J1#31.11 106.03,13.95 105.17,13.09 105.17,11.08 v1(105.68,10.57) ; v1(139.37,9.16) 139.6,9.16 141.2,10.75 v1(141.2,11) ; v1(122.15,49.1) 122.15,48.85 120.55,47.26 v1(120.32,47.26) ; v1(124.73,29.62) 124.22,30.13 124.22,32.14 125.07,33 J1#5.11 ; J1#22.11 10.77,13.95 9.92,13.09 9.92,11.08 v1(10.43,10.57) ; v1(25.07,85.36) 25.3,85.36 26.9,86.95 v1(26.9,87.2) ; J1#24.11 29.83,90.15 28.97,89.29 28.97,87.28 v1(29.48,86.77) ; v1(7.85,68.15) 7.85,67.9 6.25,66.31 v1(6.02,66.31) ; v1(26.9,49.1) 26.9,48.85 25.3,47.26 v1(25.07,47.26) ; v1(63.17,85.36) 63.4,85.36 65,86.95 v1(65,87.2) ; v1(6.02,85.36) 6.25,85.36 7.85,86.95 v1(7.85,87.2) ; J1#9.11 10.77,52.05 9.92,51.19 9.92,49.18 v1(10.43,48.67) ; v1(25.07,28.21) 25.3,28.21 26.9,29.8 v1(26.9,30.05) ; J1#19.11 125.07,52.05 124.22,51.19 124.22,49.18 v1(124.73,48.67) ; J1#35.11 67.92,52.05 67.07,51.19 67.07,49.18 v1(67.58,48.67) ; v1(45.95,11) 45.95,10.75 44.35,9.16 v1(44.12,9.16) ; v1(6.02,47.26) 6.25,47.26 7.85,48.85 v1(7.85,49.1) ; v1(82.22,28.21) 82.45,28.21 84.05,29.8 v1(84.05,30.05)
/Keyboard/sheet605ED2EB/SCLK: length 1538.3
  Top w0.254: v1(16.08,4.86) 16.44,4.86 17.78,3.53 ; J4#22.8 53.83,60.67 51.42,58.27 43.81,58.27 42.61,59.46 41.76,59.46 40.94,60.28 39.76,60.28 39.37,60.67 ; 17.78,41.62 16.44,42.96 v1(16.08,42.96) ; J4#36.8 15.73,60.67 13.32,58.27 5.71,58.27 4.51,59.46 3.66,59.46 2.84,60.28 1.66,60.28 1.27,60.67 ; v1(130.38,62.01) 130.74,62.01 132.08,60.67 ; J4#25.8 91.93,22.57 89.52,20.17 81.91,20.17 80.71,21.36 79.86,21.36 79.04,22.18 77.86,22.18 77.47,22.57 ; 113.03,60.67 111.69,62.01 v1(111.33,62.01) ; 58.42,60.67 58.81,60.28 59.99,60.28 60.81,59.46 61.66,59.46 62.86,58.27 70.47,58.27 72.88,60.67 J4#5.8 ; 1.27,79.72 1.66,79.33 2.84,79.33 3.66,78.51 4.51,78.51 5.71,77.32 13.32,77.32 15.73,79.72 J4.8 ; 36.83,3.53 35.49,4.86 v1(35.13,4.86) ; 58.42,22.57 58.81,22.18 59.99,22.18 60.81,21.36 61.66,21.36 62.86,20.17 70.47,20.17 72.88,22.57 J4#29.8 ; J4#16.8 34.78,60.67 32.37,58.27 24.76,58.27 23.56,59.46 22.71,59.46 21.89,60.28 20.71,60.28 20.32,60.67 ; 77.47,60.67 77.86,60.28 79.04,60.28 79.86,59.46 80.71,59.46 81.91,58.27 89.52,58.27 91.93,60.67 J4#30.8 ; 1.27,22.57 1.66,22.18 2.84,22.18 3.66,21.36 4.51,21.36 5.71,20.17 13.32,20.17 15.73,22.57 J4#35.8 ; 74.93,41.62 73.59,42.96 v1(73.23,42.96) ; 39.37,3.53 39.76,3.13 40.94,3.13 41.76,2.31 42.61,2.31 43.81,1.12 51.42,1.12 53.83,3.53 J4#37.8 ; 93.98,79.72 92.64,81.06 v1(92.28,81.06) ; J4#24.8 130.03,79.72 127.62,77.32 120.01,77.32 118.81,78.51 117.96,78.51 117.14,79.33 115.96,79.33 115.57,79.72 ; J4#33.8 91.93,41.62 89.52,39.22 81.91,39.22 80.71,40.41 79.86,40.41 79.04,41.23 77.86,41.23 77.47,41.62 ; v1(73.23,4.86) 73.59,4.86 74.93,3.53 ; J4#34.8 34.78,22.57 32.37,20.17 24.76,20.17 23.56,21.36 22.71,21.36 21.89,22.18 20.71,22.18 20.32,22.57 ; 151.13,60.67 149.79,62.01 v1(149.43,62.01) ; J4#18.8 110.98,41.62 108.57,39.22 100.96,39.22 99.76,40.41 98.91,40.41 98.09,41.23 96.91,41.23 96.52,41.62 ; J4#40.8 34.78,79.72 32.37,77.32 24.76,77.32 23.56,78.51 22.71,78.51 21.89,79.33 20.71,79.33 20.32,79.72 ; v1(149.43,23.91) 149.79,23.91 151.13,22.57 ; 113.03,3.53 111.69,4.86 v1(111.33,4.86) ; 115.57,60.67 115.96,60.28 117.14,60.28 117.96,59.46 118.81,59.46 120.01,58.27 127.62,58.27 130.03,60.67 J4#10.8 ; 96.52,79.72 96.91,79.33 98.09,79.33 98.91,78.51 99.76,78.51 100.96,77.32 108.57,77.32 110.98,79.72 J4#19.8 ; 17.78,60.67 16.44,62.01 v1(16.08,62.01) ; 55.88,22.57 54.54,23.91 v1(54.18,23.91) ; J4#23.8 110.98,3.53 108.57,1.12 100.96,1.12 99.76,2.31 98.91,2.31 98.09,3.13 96.91,3.13 96.52,3.53 ; 58.42,79.72 58.81,79.33 59.99,79.33 60.81,78.51 61.66,78.51 62.86,77.32 70.47,77.32 72.88,79.72 J4#15.8 ; J4#7.8 149.08,60.67 146.67,58.27 139.06,58.27 137.86,59.46 137.01,59.46 136.19,60.28 135.01,60.28 134.62,60.67 ; J4#3.8 53.83,41.62 51.42,39.22 43.81,39.22 42.61,40.41 41.76,40.41 40.94,41.23 39.76,41.23 39.37,41.62 ; v1(73.23,62.01) 73.59,62.01 74.93,60.67 ; 77.47,79.72 77.86,79.33 79.04,79.33 79.86,78.51 80.71,78.51 81.91,77.32 89.52,77.32 91.93,79.72 J4#17.8 ; v1(54.18,4.86) 54.54,4.86 55.88,3.53 ; 1.27,41.62 1.66,41.23 2.84,41.23 3.66,40.41 4.51,40.41 5.71,39.22 13.32,39.22 15.73,41.62 J4#11.8 ; 20.32,41.62 20.71,41.23 21.89,41.23 22.71,40.41 23.56,40.41 24.76,39.22 32.37,39.22 34.78,41.62 J4#27.8 ; 74.93,22.57 73.59,23.91 v1(73.23,23.91) ; v1(92.28,62.01) 92.64,62.01 93.98,60.67 ; v1(130.38,42.96) 130.74,42.96 132.08,41.62 ; J4#13.8 130.03,41.62 127.62,39.22 120.01,39.22 118.81,40.41 117.96,40.41 117.14,41.23 115.96,41.23 115.57,41.62 ; 77.47,3.53 77.86,3.13 79.04,3.13 79.86,2.31 80.71,2.31 81.91,1.12 89.52,1.12 91.93,3.53 J4#12.8 ; J4#20.8 149.08,22.57 146.67,20.17 139.06,20.17 137.86,21.36 137.01,21.36 136.19,22.18 135.01,22.18 134.62,22.57 ; 58.42,3.53 58.81,3.13 59.99,3.13 60.81,2.31 61.66,2.31 62.86,1.12 70.47,1.12 72.88,3.53 J4#14.8 ; J4#39.8 149.08,3.53 146.67,1.12 139.06,1.12 137.86,2.31 137.01,2.31 136.19,3.13 135.01,3.13 134.62,3.53 ; 113.03,41.62 111.69,42.96 v1(111.33,42.96) ; 132.08,22.57 130.74,23.91 v1(130.38,23.91) ; J4#26.8 72.88,41.62 70.47,39.22 62.86,39.22 61.66,40.41 60.81,40.41 59.99,41.23 58.81,41.23 58.42,41.62 ; v1(149.43,81.06) 149.79,81.06 151.13,79.72 ; v1(35.13,81.06) 35.49,81.06 36.83,79.72 ; J4#9.8 15.73,3.53 13.32,1.12 5.71,1.12 4.51,2.31 3.66,2.31 2.84,3.13 1.66,3.13 1.27,3.53 ; 55.88,79.72 54.54,81.06 v1(54.18,81.06) ; 151.13,3.53 149.79,4.86 v1(149.43,4.86) ; J4#8.8 110.98,60.67 108.57,58.27 100.96,58.27 99.76,59.46 98.91,59.46 98.09,60.28 96.91,60.28 96.52,60.67 ; 132.08,3.53 130.74,4.86 v1(130.38,4.86) ; 39.37,22.57 39.76,22.18 40.94,22.18 41.76,21.36 42.61,21.36 43.81,20.17 51.42,20.17 53.83,22.57 J4#38.8 ; J4#4.8 110.98,22.57 108.57,20.17 100.96,20.17 99.76,21.36 98.91,21.36 98.09,22.18 96.91,22.18 96.52,22.57 ; 132.08,79.72 130.74,81.06 v1(130.38,81.06) ; v1(16.08,81.06) 16.44,81.06 17.78,79.72 ; v1(35.13,62.01) 35.49,62.01 36.83,60.67 ; 134.62,79.72 135.01,79.33 136.19,79.33 137.01,78.51 137.86,78.51 139.06,77.32 146.67,77.32 149.08,79.72 J4#31.8 ; v1(35.13,23.91) 35.49,23.91 36.83,22.57 ; v1(16.08,23.91) 16.44,23.91 17.78,22.57 ; 113.03,79.72 111.69,81.06 v1(111.33,81.06) ; 39.37,79.72 39.76,79.33 40.94,79.33 41.76,78.51 42.61,78.51 43.81,77.32 51.42,77.32 53.83,79.72 J4#28.8 ; 36.83,41.62 35.49,42.96 v1(35.13,42.96) ; v1(149.43,42.96) 149.79,42.96 151.13,41.62 ; 134.62,41.62 135.01,41.23 136.19,41.23 137.01,40.41 137.86,40.41 139.06,39.22 146.67,39.22 149.08,41.62 J4#32.8 ; J4#6.8 130.03,3.53 127.62,1.12 120.01,1.12 118.81,2.31 117.96,2.31 117.14,3.13 115.96,3.13 115.57,3.53 ; v1(73.23,81.06) 73.59,81.06 74.93,79.72 ; v1(111.33,23.91) 111.69,23.91 113.03,22.57 ; v1(92.28,4.86) 92.64,4.86 93.98,3.53 ; v1(54.18,62.01) 54.54,62.01 55.88,60.67 ; v1(92.28,23.91) 92.64,23.91 93.98,22.57 ; v1(54.18,42.96) 54.54,42.96 55.88,41.62 ; J4#21.8 34.78,3.53 32.37,1.12 24.76,1.12 23.56,2.31 22.71,2.31 21.89,3.13 20.71,3.13 20.32,3.53 ; 115.57,22.57 115.96,22.18 117.14,22.18 117.96,21.36 118.81,21.36 120.01,20.17 127.62,20.17 130.03,22.57 J4#2.8 ; 93.98,41.62 92.64,42.96 v1(92.28,42.96)